# Altium PCB PCB1.PcbDoc
Units mm, origin at the board's own origin, x right, y up, seen from the top; angles counter-clockwise.
Board outline 105.41 x 81.79 mm, 2 copper layers (Top Layer, Bottom Layer); 18 components, 35 nets, 108 pads, 24 vias.
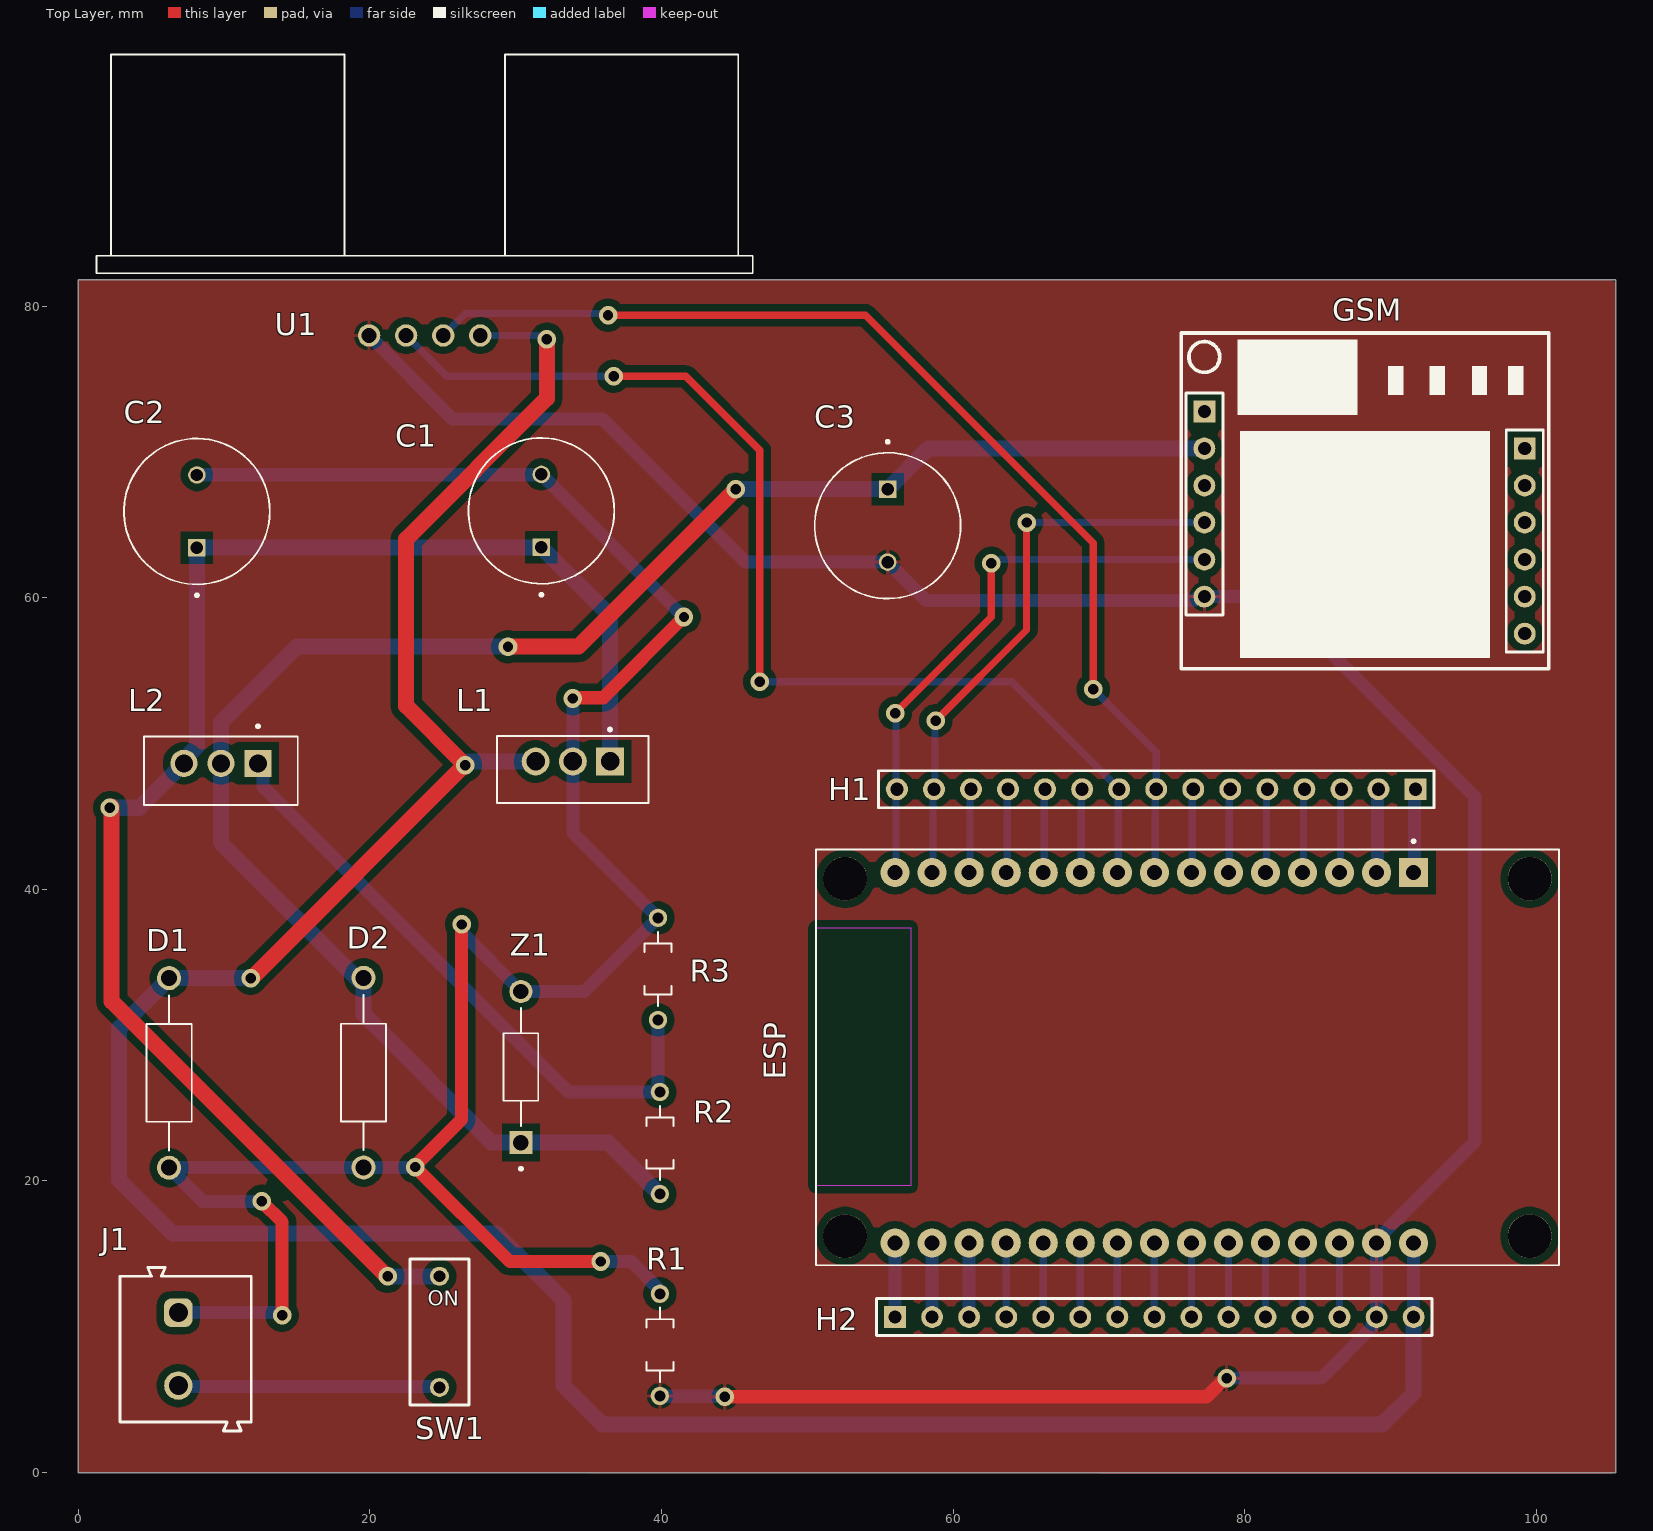
[diagram p0: Top Layer view]
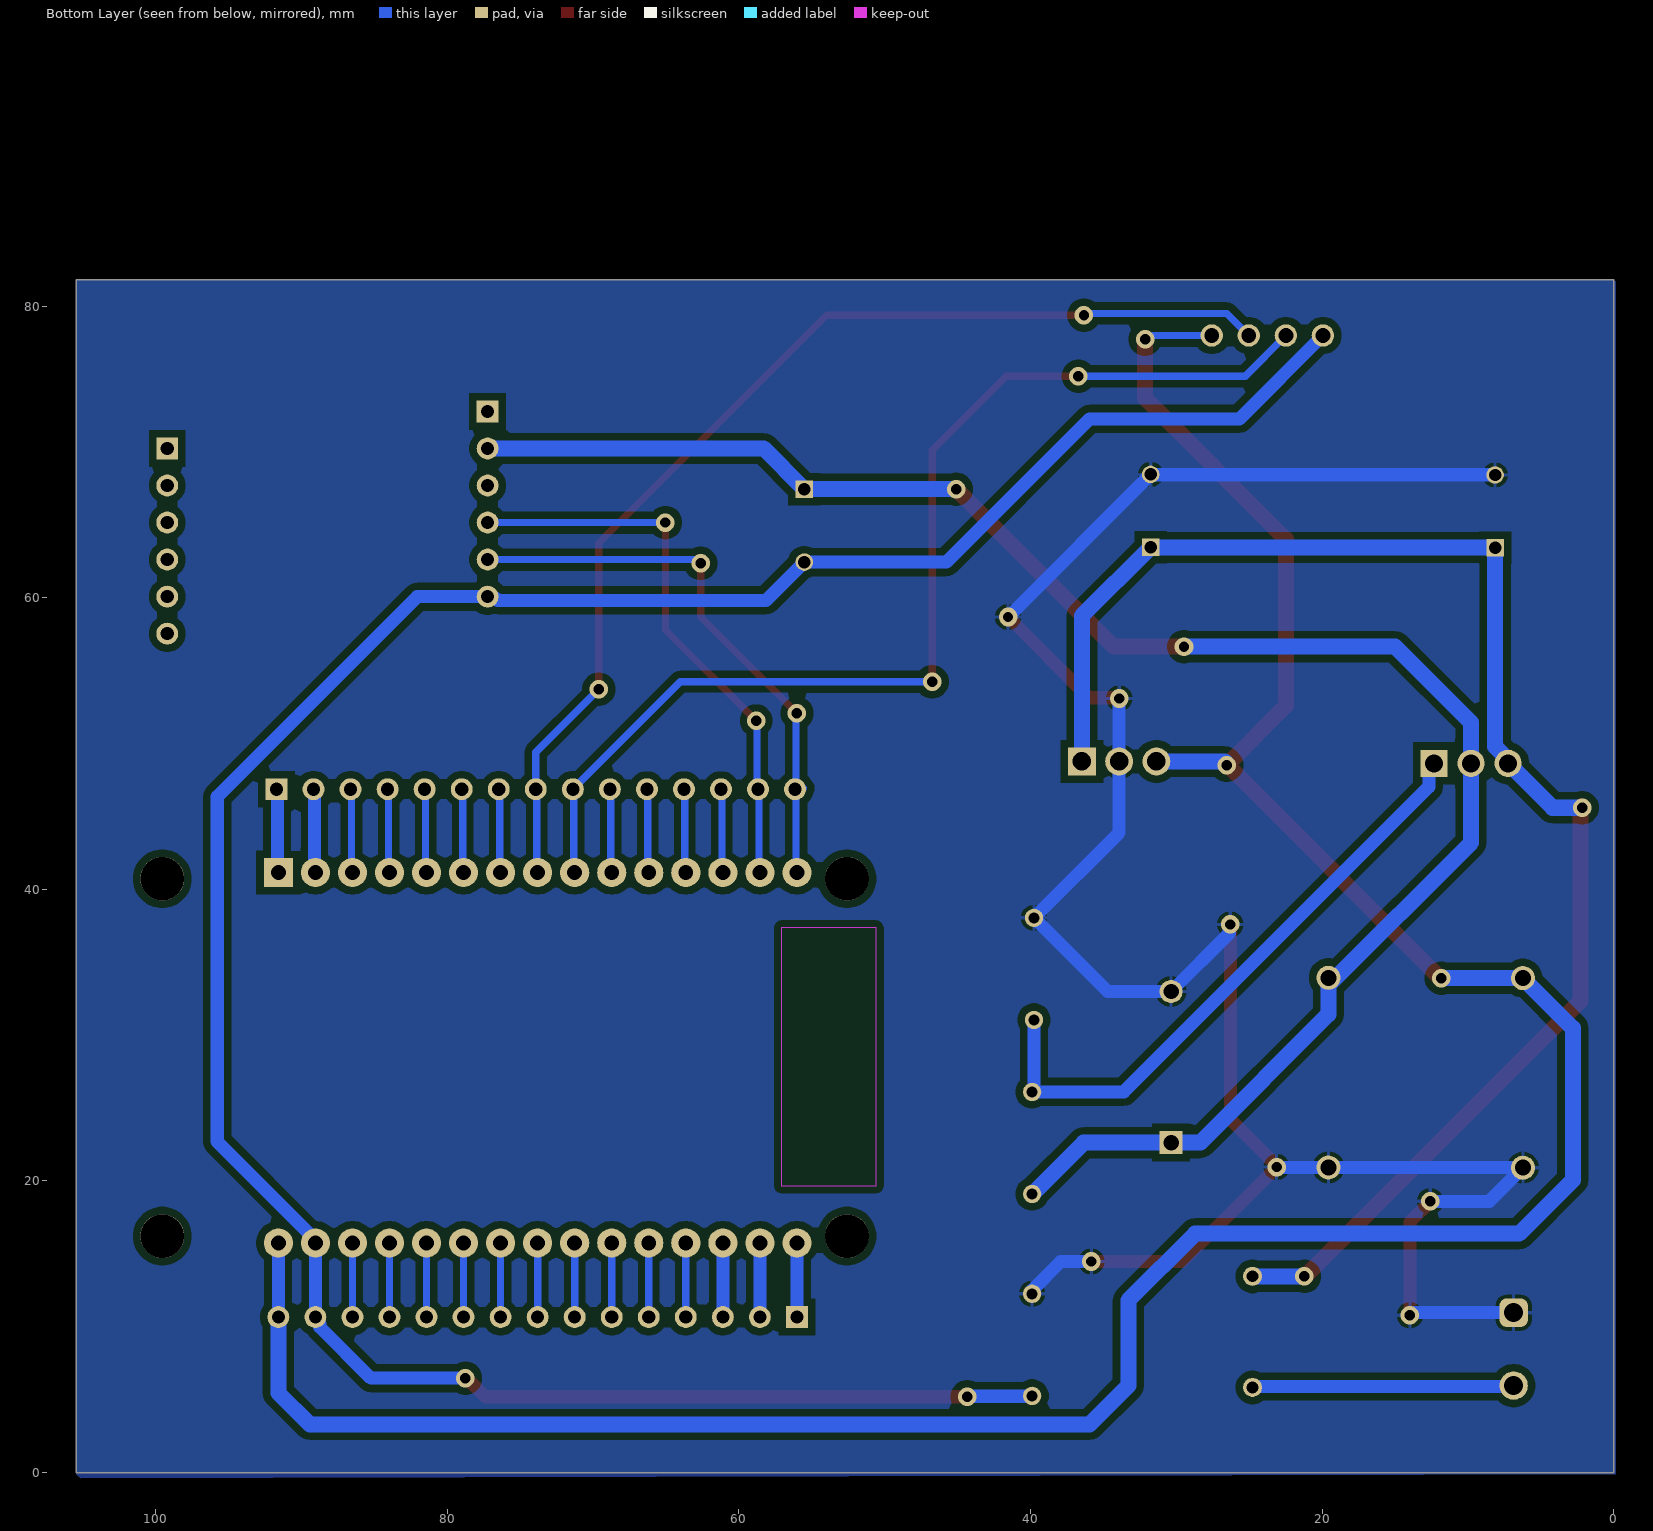
[diagram p1: Bottom Layer view, seen from below]
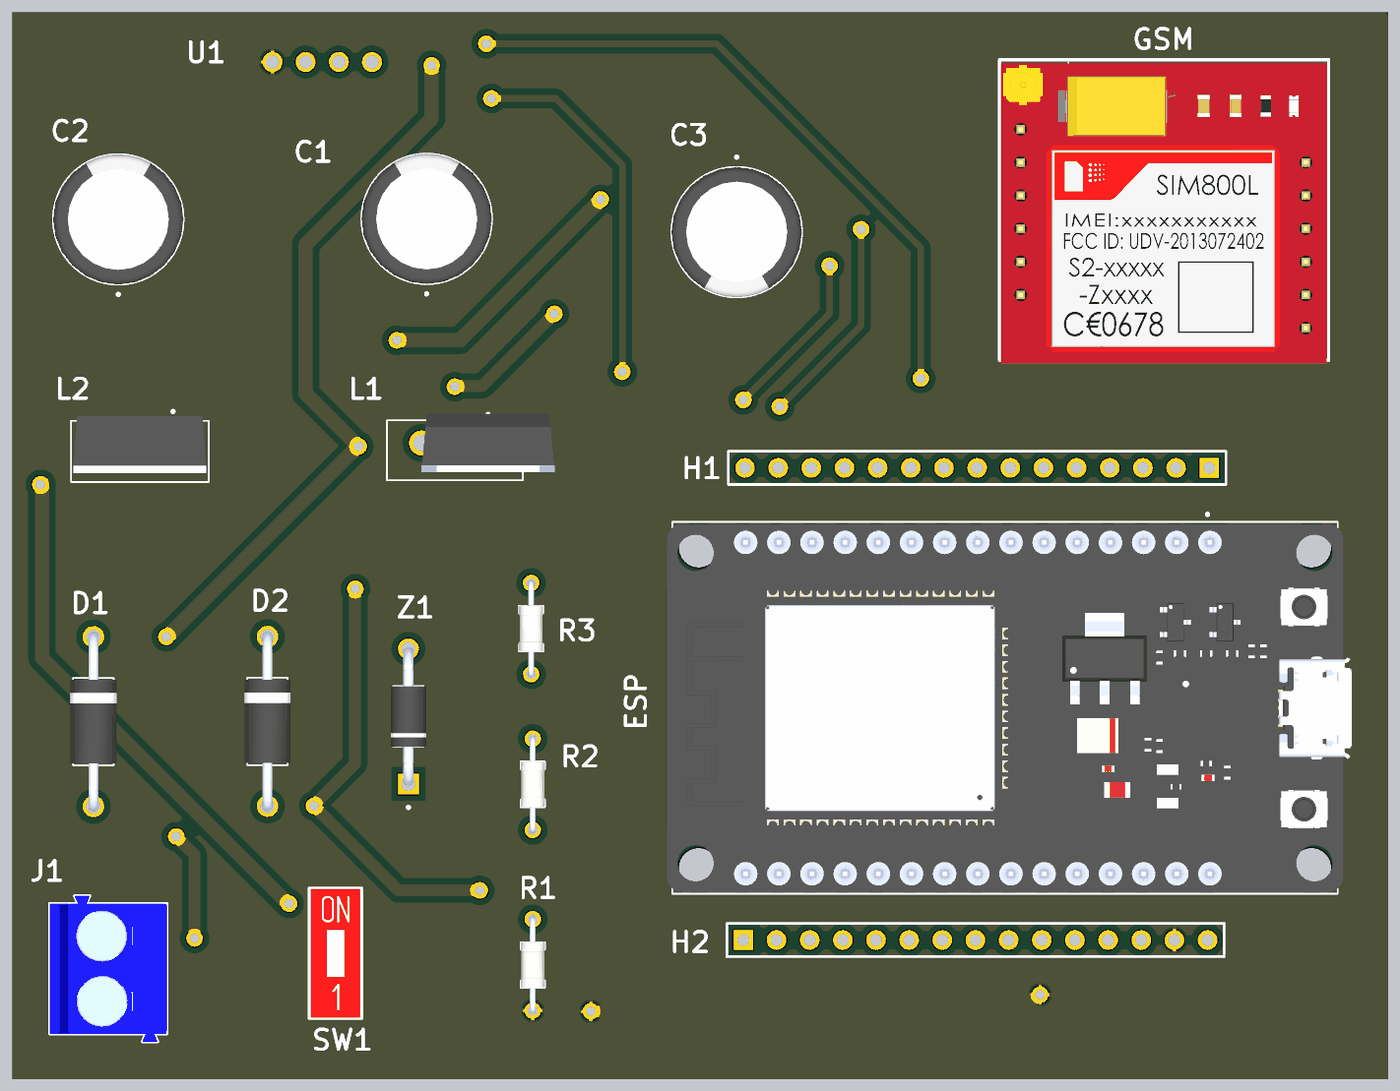
[diagram p2: 3D render of the assembled board from above, using the file's embedded part models]

## Layer stack, top to bottom
Top Solder: solder mask 0.0102, Solder Resist, Dk 3.5
Top Layer: signal copper 0.0356
Dielectric 1: dielectric 0.32, FR-4, Dk 4.8
Bottom Layer: signal copper 0.0356
Bottom Solder: solder mask 0.0102, Solder Resist, Dk 3.5

## Board outline
0,0 0,81.788 105.41,81.788 105.41,0

## Design rules (kind name [scope] priority, off if disabled: settings)
Clearance [All] p1: gap=0.5 ignorepadtopadclearanceinfootprint=FALSE
HoleSize [All] p1: absolutevalues=TRUE maxlimit=3.5 minlimit=0.025 maxpercent=80.000 minpercent=20.000
PolygonConnect [All] p1: connectstyle=Relief reliefconductorwidth=0.254 reliefentries=4 polygonreliefangle="90 Angle" airgapwidth=0.254
RoutingVias [All] p1: holewidth=0.7 width=1.5 viastyle="Through Hole" minholewidth=0.6 minwidth=1.4 maxholewidth=1 maxwidth=2
SolderMaskExpansion [All] p1: expansion=0.102 istentingtop=FALSE
SupplyNets "Schematic Supply Nets_1" [InNet('GND')] p1: voltage=0.000
SupplyNets "Schematic Supply Nets" [InNet('DGND')] p2: voltage=0.000
Width [All] p1: maxlimit=1.2 minlimit=0.4 preferedwidth=0.5
29 further rules are at their usual default settings.

## Classes and differential pairs
component class Sheet1: C1 C2 C3 D2 ESP GSM H1 H2 J1 L1 L2 R1 R2 R3 SW1 U1 Z1

## Components (designator, comment, footprint, x,y, rotation, side; value= is the part's Value field where it differs from the comment)
C1 "1000u" CAPPRD500W60D1000H2000 31.75,65.953 r90 top
C2 "1000u" CAPPRD500W60D1000H2000 8.128,65.913 r90 top
C3 "1200u" CAPPRD500W60D1000H2000 55.499,64.937 r270 top
D1 "P6KE6.8CA" DIOAD1300W80L670D310 6.223,27.409 r90 top
D2 "P6KE6.8CA" DIOAD1300W80L670D310 19.558,27.432 r90 top
ESP "ESP32-DEVKIT-V1" MODULE_ESP32_DEVKIT_V1 76.052,28.448 r270 top
GSM "Sim800L" Sim800L 75.616,77.876 r0 top
H1 "Header 15" HDR1X15 91.694,46.863 r180 top
H2 "Header 15" HDR1X15 56.007,10.668 r0 top
J1 "691101710002" 691101710002 7.358,8.469 r270 top
L1 "L7805CV" TO255P1040X460X1968-3 36.459,48.768 r180 top
L2 "LM317T" TO254P1054X470X1955-3 9.779,48.641 r180 top
R1 "1K" RESAD700W45L350D185 39.878,8.763 r270 top
R2 "240" RESAD700W45L350D185 39.878,22.606 r270 top
R3 "600" RESAD700W45L350D185 39.751,34.544 r270 top
SW1 "418117170901" 418117170901 24.765,9.652 r0 top
U1 "HC-SR04" XCVR_HC-SR04 23.749,77.978 r180 top
Z1 "BV=4.3" DIOAD1036W78L463D272 30.353,27.813 r90 top

## Footprints (in the part's own frame and the unit in brackets; to place one, negate y for a bottom-side part, rotate by r counter-clockwise, add the part's x,y. Pads: shape width x height; smd on the part's side, far side on the other; paste and mask are expansions set on the pad)
418117170901 [mm] "2.54 mm compact THT with flat actuator, 1p"
  round 1.3 hole 0.8: 1(0,-3.81) 2(0,3.81)
  silkscreen extent -2.02,-5 2.02,5, body extent -1.92,-4.95 1.92,4.95, height 5.75
691101710002 [mm] "5,00mm - modular - blue - Horizontal entry with pressure clamp - 12,6mm height - 02p"
  rrect50% 1.95x1.95 hole 1.3: 1(-2.5,-0.5)
  round 1.95 hole 1.3: 2(2.5,-0.5)
  silkscreen extent -5.6,-4.5 5.6,4.5, body extent -5.6,-4.5 5.6,4.5, height 12.65
CAPPRD500W60D1000H2000 [mm]
  round 1.2 hole 0.85: N(2.5,0)
  rect 1.2x1.2 hole 0.85: P(-2.5,0)
  silkscreen extent -5.85,-5 5,5, body extent -5,-5 5,5, height 20
DIOAD1036W78L463D272 [mm]
  rect 1.59x1.59 / inner round 1.59 / far side rect 1.59x1.59 hole 1.06: 1(-5.18,0)
  round 1.59 hole 1.06: 2(5.18,0)
  silkscreen extent -7.07,-1.19 4.07,1.19, body extent -5.29,-1.36 5.29,1.36, height 2.72
DIOAD1300W80L670D310 [mm]
  round 1.65 hole 1.1 mask+0.05: 1(-6.5,0) 2(6.5,0)
  silkscreen extent -5.32,-1.55 5.32,1.55, body extent -6.88,-1.77 6.88,1.77, height 3.53
HDR1X15 [mm] "Connector; Header; 15 Position"
  rect 1.5x1.5 hole 0.9: 1(0,0)
  round 1.5 hole 0.9: 2(2.54,0) 3(5.08,0) 4(7.62,0) 5(10.16,0) 6(12.7,0) 7(15.24,0) 8(17.78,0) 9(20.32,0) 10(22.86,0) 11(25.4,0) 12(27.94,0) 13(30.48,0) 14(33.02,0) 15(35.56,0)
  silkscreen extent -1.27,-1.27 36.83,1.27
MODULE_ESP32_DEVKIT_V1 [mm]
  rect 2x2 / inner round 2 / far side rect 2x2 hole 1.02: 1(-12.7,15.515)
  round 2 hole 1.02: 2(-12.7,12.975) 3(-12.7,10.435) 4(-12.7,7.895) 5(-12.7,5.355) 6(-12.7,2.815) 7(-12.7,0.275) 8(-12.7,-2.265) 9(-12.7,-4.805) 10(-12.7,-7.345) 11(-12.7,-9.885) 12(-12.7,-12.425) 13(-12.7,-14.965) 14(-12.7,-17.505) 15(-12.7,-20.045) 16(12.7,-20.045) 17(12.7,-17.505) 18(12.7,-14.965) 19(12.7,-12.425) 20(12.7,-9.885) 21(12.7,-7.345) 22(12.7,-4.805) 23(12.7,-2.265) 24(12.7,0.275) 25(12.7,2.815) 26(12.7,5.355) 27(12.7,7.895) 28(12.7,10.435) 29(12.7,12.975) 30(12.7,15.515)
  round 3 hole 3 unplated: ""(-12.28,23.475) ""(-12.28,-23.475) ""(12.23,23.475) ""(12.23,-23.475)
  Keep-Out Layer region: 8.78,-25.475 -8.91,-25.475 -8.91,-18.985 8.78,-18.985
  Keep-Out Layer region: 8.78,-25.475 -8.91,-25.475 -8.91,-18.985 8.78,-18.985
  silkscreen extent -14.95,-25.47 14.23,25.47, body extent -14.1,-25.9 14.1,26.55, height 7.05
RESAD700W45L350D185 [mm]
  round 1.258 hole 0.75: 1(-3.5,0) 2(3.5,0)
  silkscreen extent -2.55,-0.93 2.55,0.93, body extent -3.72,-0.92 3.72,0.92, height 1.84
Sim800L [mm]
  rect 1.5x1.5 hole 0.9: 1(1.6,-5.105) 7(23.571,-7.645)
  round 1.5 hole 0.9: 2(1.6,-7.645) 3(1.6,-10.185) 4(1.6,-12.725) 5(1.6,-15.265) 6(1.6,-17.805) 8(23.571,-10.185) 9(23.571,-12.725) 10(23.571,-15.265) 11(23.571,-17.805) 12(23.571,-20.345)
  silkscreen extent 0.03,-22.76 25.22,0.28, body extent 0.12,-23 25.12,0.14, height 10.1
TO254P1054X470X1955-3 [mm]
  rect 1.86x1.86 / inner round 1.86 / far side rect 1.86x1.86 hole 1.24: 1(-2.54,0)
  round 1.86 hole 1.24: 2(0,0) 3(2.54,0)
  silkscreen extent -5.27,-2.64 5.27,2.86, body extent -5.08,-2.17 5.08,2.18, height 20.4
TO255P1040X460X1968-3 [mm]
  rect 1.91x1.91 / inner round 1.91 / far side rect 1.91x1.91 hole 1.27: 1(0,0)
  round 1.91 hole 1.27: 2(2.55,0) 3(5.1,0)
  silkscreen extent -2.65,-2.29 7.75,2.86, body extent -5.1,-2.25 5.1,2.25, height 19.68
XCVR_HC-SR04 [mm]
  round 1.53 hole 1.02: 1(-3.81,0) 2(-1.27,0) 3(1.27,0) 4(3.81,0)
  silkscreen extent -22.5,-19.27 22.5,-4.27

## Part data
C1 C2 C3: library part EEUFR1E102, "1000F 25V Aluminum Electrolytic Capacitors Radial, Can 10000 Hrs @ 105C", Package="RADIAL-2 Panasonic", Availability="In Stock", Check_prices=https://www.snapeda.com/parts/EEU-FR1E102/Panasonic/view-part/630528/?ref=eda, MF=Panasonic, MP=EEU-FR1E102, Price=None, Purchase-URL=https://pricing.snapeda.com/search/part/EEU-FR1E102/?ref=eda, SnapEDA_Link=https://www.snapeda.com/parts/EEU-FR1E102/Panasonic/view-part/630528/?ref=snap
D1 D2: "600W, 6.8V, 5%, Bidirectional, TVS", Package="DO-15 Taiwan Semiconductor", Check_prices=https://www.snapeda.com/parts/P6KE6.8CA/Taiwan+Semiconductor/view-part/?ref=eda, MF="Taiwan Semiconductor", MP=P6KE6.8CA, SnapEDA_Link=https://www.snapeda.com/parts/P6KE6.8CA/Taiwan+Semiconductor/view-part/?ref=snap
ESP: "Dual core, Wi-Fi: 2.4 GHz up to 150 Mbits/s,BLE (Bluetooth Low Energy) and legacy Bluetooth, 32 bits, Up to 240 MHz", Package=None, Check_prices=https://www.snapeda.com/parts/ESP32-DEVKIT-V1/Do+it/view-part/?ref=eda, MF="Do it", MP=ESP32-DEVKIT-V1, SnapEDA_Link=https://www.snapeda.com/parts/ESP32-DEVKIT-V1/Do+it/view-part/?ref=snap
H1 H2: "Header, 15-Pin", LatestRevisionDate=17-Jul-2002, LatestRevisionNote="Re-released for DXP Platform.", Publisher="Altium Limited"
J1: "WR-TBL Series 101 Horizontal Entry Modular, THT, pitch 5mm, 2p", Manufacturer="Wurth Elektronik", Operating Temperature Max=105°C, Operating Temperature Min=-40°C, Rated Current=16A, Working Voltage=250V, Application="Pressure Clamp", Category="Terminal Blocks", ComponentLink1Description="Website Link", ComponentLink1URL=https://www.we-online.com/redexpert/article/691101710002?ad, ComponentLink2Description="Datasheet Link", ComponentLink2URL=https://www.we-online.com/redexpert/spec/691101710002?ad, Manufacturer Part Number=691101710002, Match Code=WR-TBL, Modularity=Yes, Mount="Through Hole", Number of Pins=2, Number of Rows=1, Orientation=Horizontal, Packaging=Box, Pitch=5mm
L1: "Linear Voltage Regulator IC Positive Fixed 1 Output 1.5A TO-220", Package="TO-220-3 STMicroelectronics", Check_prices=https://www.snapeda.com/parts/L7805CV/STMicroelectronics/view-part/?ref=eda, MF=STMicroelectronics, MP=L7805CV, SnapEDA_Link=https://www.snapeda.com/parts/L7805CV/STMicroelectronics/view-part/?ref=snap
L2: "Linear Voltage Regulator IC Positive Adjustable 1 Output 1.5A TO-220AB", Package="TO-220-3 ON", Check_prices=https://www.snapeda.com/parts/LM317T/Onsemi/view-part/?ref=eda, MF=onsemi, MP=LM317T, SnapEDA_Link=https://www.snapeda.com/parts/LM317T/Onsemi/view-part/?ref=snap
R1 R2 R3: library part 3-1623927-1, "1 MOhms Â±5% 0.25W, 1/4W Through Hole Resistor Axial - Carbon Film", Package=None, Check_prices=https://www.snapeda.com/parts/3-1623927-1/TE+Connectivity/view-part/?ref=eda, MF="TE Connectivity", MP=3-1623927-1, SnapEDA_Link=https://www.snapeda.com/parts/3-1623927-1/TE+Connectivity/view-part/?ref=snap
SW1: "WS-DITV Compact THT Dip Switch, Flat Actuator, pitch 2.54mm, 1p", Manufacturer="Wurth Elektronik", Operating Temperature Max=85°C, Operating Temperature Min=-40°C, Rated Current Non-Switching=100mA, Rated Current Switching=25mA, Rated Voltage Non-Switching=50VDC, Rated Voltage Switching=24VDC, Actuator Type="Flat Type", Category="Dip Switches", ComponentLink1Description="Website Link", ComponentLink1URL=https://www.we-online.com/redexpert/article/418117170901?ad, ComponentLink2Description="Datasheet Link", ComponentLink2URL=https://www.we-online.com/redexpert/spec/418117170901?ad, Contact Material="Copper Alloy", Contact Plating=Gold, Manufacturer Part Number=418117170901, Match Code=WS-DITV, Mount="Through Hole", Number of Poles=1, Operation Force=800g, Packaging=Tube, Pitch=2.54mm
U1: "Ultrasonic Sensor Module", Package=None, Availability=Unavailable, MP=HC-SR04, Price=None
Z1: library part 1N4742A, "Zener Diode 12 V 1 W Â±5% Through Hole DO-41", Package="DO-41 ON Semiconductor", Check_prices=https://www.snapeda.com/parts/1N4742A/Onsemi/view-part/?ref=eda, MF=ON, MP=1N4742A, SnapEDA_Link=https://www.snapeda.com/parts/1N4742A/Onsemi/view-part/?ref=snap

## Via types
v1: diameter 1.27, hole 0.711, Top Layer to Bottom Layer, 24 vias

## Nets (pads, with @x,y where several pads share a name; then routed paths per layer and width w, separated by ;. In a path a pad name is that pad's centre, name@x,y a point inside that pad or via, vN(x,y) a via of type N, cw(c..) or ccw(c..) an arc to the next point about the centre after c; other vN are vias at no path point)
3V3: ESP.1 H1.1 | length 5.8
  Bottom Layer w0.9: ESP.1 91.63,41.212 91.63,46.799 H1.1
+4.2V: C3.P D2.2 GSM.2 L2.2 R2.2 Z1.1 | length 124.7
  Top Layer w1.1: v1(29.464,56.642) 34.29,56.642 v1(45.085,67.437)
  Bottom Layer w1.1: v1(29.464,56.642) 14.986,56.642 9.779,51.435 L2.2 9.779,43.203 19.558,33.424 19.558,31.42 28.345,22.633 Z1.1 36.351,22.633 R2.2 ; v1(45.085,67.437) C3.P 58.293,70.231 GSM.2
+5V: D1.2 ESP.30 H2.15 L1.3 U1.1 | length 196.2
  Top Layer w0.9: v1(11.811,33.909) v1@11.874,33.909 ; v1@26.479,48.514 v1(26.543,48.514)
  Top Layer w1.1: v1@11.874,33.909 v1@26.479,48.514 ; v1(26.543,48.514) 22.479,52.578 22.479,64.008 32.131,73.66 v1(32.131,77.724)
  Bottom Layer w0.5: U1.1 31.669,77.978 31.923,77.724 v1(32.131,77.724)
  Bottom Layer w0.9: H2.15 ESP.30
  Bottom Layer w1.1: v1(11.811,33.909) D1.2 2.794,30.48 2.794,20.066 6.477,16.383 28.702,16.383 33.274,11.811 33.274,5.969 35.941,3.302 89.408,3.302 91.567,5.461 H2.15 ; v1@26.67,48.768 L1.3
D1GND: ESP.2 H1.2 | length 5.8
  Bottom Layer w0.9: ESP.2 89.09,41.212 89.09,46.799 H1.2
D2: ESP.4 H1.4 | length 5.8
  Bottom Layer w0.5: ESP.4 84.01,41.212 84.01,46.799 H1.4
D4: ESP.5 H1.5 | length 5.8
  Bottom Layer w0.5: ESP.5 81.471,41.212 81.471,46.799 H1.5
D5: ESP.8 H1.8 U1.2 | length 76.2
  Top Layer w0.5: v1(36.322,79.375) 53.975,79.375 69.596,63.754 v1(69.596,53.721)
  Bottom Layer w0.5: U1.2 26.534,79.493 36.204,79.493 v1(36.322,79.375) ; v1(69.596,53.721) 73.914,49.403 H1.8 73.85,46.799 73.85,41.212 ESP.8
D12: ESP.27 H2.12 | length 5.1
  Bottom Layer w0.5: H2.12 ESP.27
D13: ESP.28 H2.13 | length 5.1
  Bottom Layer w0.5: H2.13 ESP.28
D14: ESP.26 H2.11 | length 5.1
  Bottom Layer w0.5: H2.11 ESP.26
D15: ESP.3 H1.3 | length 5.8
  Bottom Layer w0.5: ESP.3 86.55,41.212 86.55,46.799 H1.3
D18: ESP.9 H1.9 U1.3 | length 76.9
  Top Layer w0.5: v1(36.703,75.184) 41.656,75.184 46.736,70.104 v1(46.736,54.229)
  Bottom Layer w0.5: U1.3 25.273,75.184 v1(36.703,75.184) ; v1(46.736,54.229) 64.008,54.229 H1.9 71.31,46.799 71.31,41.212 ESP.9
D19: ESP.10 H1.10 | length 5.8
  Bottom Layer w0.5: ESP.10 68.77,41.212 68.77,46.799 H1.10
D21: ESP.11 H1.11 | length 5.8
  Bottom Layer w0.5: ESP.11 66.23,41.212 66.23,46.799 H1.11
D22: ESP.14 GSM.4 H1.14 | length 38.9
  Top Layer w0.5: v1(58.801,51.562) 65.024,57.785 v1(65.024,65.151)
  Bottom Layer w0.5: ESP.14 58.61,41.212 58.61,46.799 H1.14 ; H1.14@58.737,46.926 v1@58.737,51.498 ; v1(65.024,65.151) GSM.4
  Bottom Layer w0.9: H1.14 H1.14@58.737,46.926 ; v1@58.737,51.498 v1(58.801,51.562)
D23: ESP.15 GSM.5 H1.15 | length 38.6
  Top Layer w0.5: v1(56.007,52.07) 62.611,58.674 v1(62.611,62.357)
  Bottom Layer w0.5: H1.15@55.562,46.926 H1.15@55.626,46.863 ; ESP.15 56.07,41.212 56.07,46.799 H1.15 ; H1.15@56.07,46.926 v1@56.07,52.006 ; v1@62.738,62.611 GSM.5
  Bottom Layer w0.9: v1(56.007,52.07) v1@56.07,52.006 ; H1.15@56.07,46.926 H1.15
D25: ESP.23 H2.8 | length 5.1
  Bottom Layer w0.5: H2.8 ESP.23
D26: ESP.24 H2.9 | length 5.1
  Bottom Layer w0.5: H2.9 ESP.24
D27: ESP.25 H2.10 | length 5.1
  Bottom Layer w0.5: H2.10 ESP.25
D32: ESP.21 H2.6 | length 5.1
  Bottom Layer w0.5: H2.6 ESP.21
D33: ESP.22 H2.7 | length 5.1
  Bottom Layer w0.5: H2.7 ESP.22
D34: ESP.19 H2.4 | length 5.1
  Bottom Layer w0.5: H2.4 ESP.19
D35: ESP.20 H2.5 | length 5.1
  Bottom Layer w0.5: H2.5 ESP.20
DGND: C3.N ESP.29 GSM.6 H2.14 R1.2 U1.4 | length 179.4
  Top Layer w0.9: v1(44.323,5.207) 77.37,5.207 78.64,6.477 v1(78.74,6.477)
  Bottom Layer w0.9: U1.4 25.654,72.263 35.941,72.263 45.767,62.437 C3.N 58.119,59.817 76.538,59.817 76.677,59.956 77.101,59.956 GSM.6 82.042,60.071 95.758,46.355 95.758,22.697 89.027,15.966 89.027,10.506 88.727,10.206 88.727,9.987 85.217,6.477 v1(78.74,6.477) ; R1.2 39.906,5.235 44.295,5.235 v1(44.323,5.207) v1@44.223,5.207
EN: ESP.16 H2.1 | length 5.1
  Bottom Layer w0.9: H2.1 ESP.16
GND: C1.N C2.N D1.1 D2.1 J1.1 L1.2 R1.1 R3.1 Z1.2 | length 160.6
  Top Layer w0.9: v1(12.573,18.603) 12.573,18.59 13.97,17.193 v1(13.97,10.795) ; v1(26.289,37.592) 26.262,37.565 26.262,24.203 23.114,21.055 v1(23.114,20.955) 29.591,14.478 v1(35.814,14.478) ; v1(33.909,53.086) 33.962,53.139 35.994,53.139 v1(41.529,58.674)
  Bottom Layer w0.9: J1.1 13.696,10.969 13.87,10.795 v1(13.97,10.795) ; C2.N 8.148,68.433 31.73,68.433 C1.N v1(41.529,58.674) ; v1(12.573,18.603) 8.529,18.603 D1.1 6.235,20.92 19.546,20.92 D2.1 23.091,20.932 v1(23.114,20.955) ; v1(26.289,37.592) 26.36,37.521 26.36,36.986 Z1.2 34.7,32.993 R3.1 33.909,43.886 L1.2 v1(33.909,53.086) ; v1(35.814,14.478) 37.917,14.478 R1.1@39.878,12.517
NetJ1_2: J1.2 SW1.1 | length 18
  Bottom Layer w0.9: J1.2 6.921,5.905 24.701,5.905 SW1.1
NetL2_1: L2.1 R2.1 R3.2 | length 42.6
  Bottom Layer w0.9: L2.1 12.669,48.291 12.669,47.021 33.582,26.108 39.876,26.108 R2.1 39.878,26.203 39.751,26.33 R3.2
RX0: ESP.12 H1.12 | length 5.8
  Bottom Layer w0.5: ESP.12 63.691,41.212 63.691,46.799 H1.12
RX2: ESP.6 H1.6 | length 5.8
  Bottom Layer w0.5: ESP.6 78.93,41.212 78.93,46.799 H1.6
TX0: ESP.13 H1.13 | length 5.8
  Bottom Layer w0.5: ESP.13 61.151,41.212 61.151,46.799 H1.13
TX2: ESP.7 H1.7 | length 5.8
  Bottom Layer w0.5: ESP.7 76.391,41.212 76.391,46.799 H1.7
VIN: C1.P C2.P L1.1 L2.3 SW1.2 | length 105.3
  Top Layer w1.1: v1@2.286,45.668 2.286,32.309 v1@21.133,13.462
  Bottom Layer w0.9: L2.3 L2.3@7.239,48.901 ; C2.P C2.P@8.148,63.433 ; C1.P@31.73,63.433 C1.P
  Bottom Layer w1.1: v1(2.159,45.593) 4.191,45.593 L2.3 ; L2.3@7.239,48.901 8.128,49.79 C2.P ; C2.P@8.148,63.433 C1.P@31.73,63.433 ; v1(21.209,13.462) SW1.2 ; C1.P 36.459,58.744 L1.1
VN: ESP.18 H2.3 | length 5.1
  Bottom Layer w0.9: H2.3 ESP.18
VP: ESP.17 H2.2 | length 5.1
  Bottom Layer w0.9: H2.2 ESP.17
pads on no net: ESP. GSM.1 GSM.3 GSM.7 GSM.8 GSM.9 GSM.10 GSM.11 GSM.12

## Polygon pours and split planes (outlines as drawn)
DGND on Top Layer "NONET_L02_P-003" (solid, pour order 0): 0,0 0,81.788 105.41,81.788 105.537,81.661 105.41,81.534 105.41,-0.127
GND on Bottom Layer "NONET_L02_P-003" (solid, pour order 1): -0.127,-0.127 -0.127,81.661 0,81.788 105.41,81.788 105.41,-0.381

## Text inside footprints (layer, text, board x,y; h text height)
SW1: Top Overlay "ON" at 23.965,11.452 h1.02; Top Component Outline "1" at 24.535,6.852 h1.02; Top Component Outline "ON" at 23.965,11.452 h1.02